# KiCad board for_real_486_2.kicad_pcb (continued)
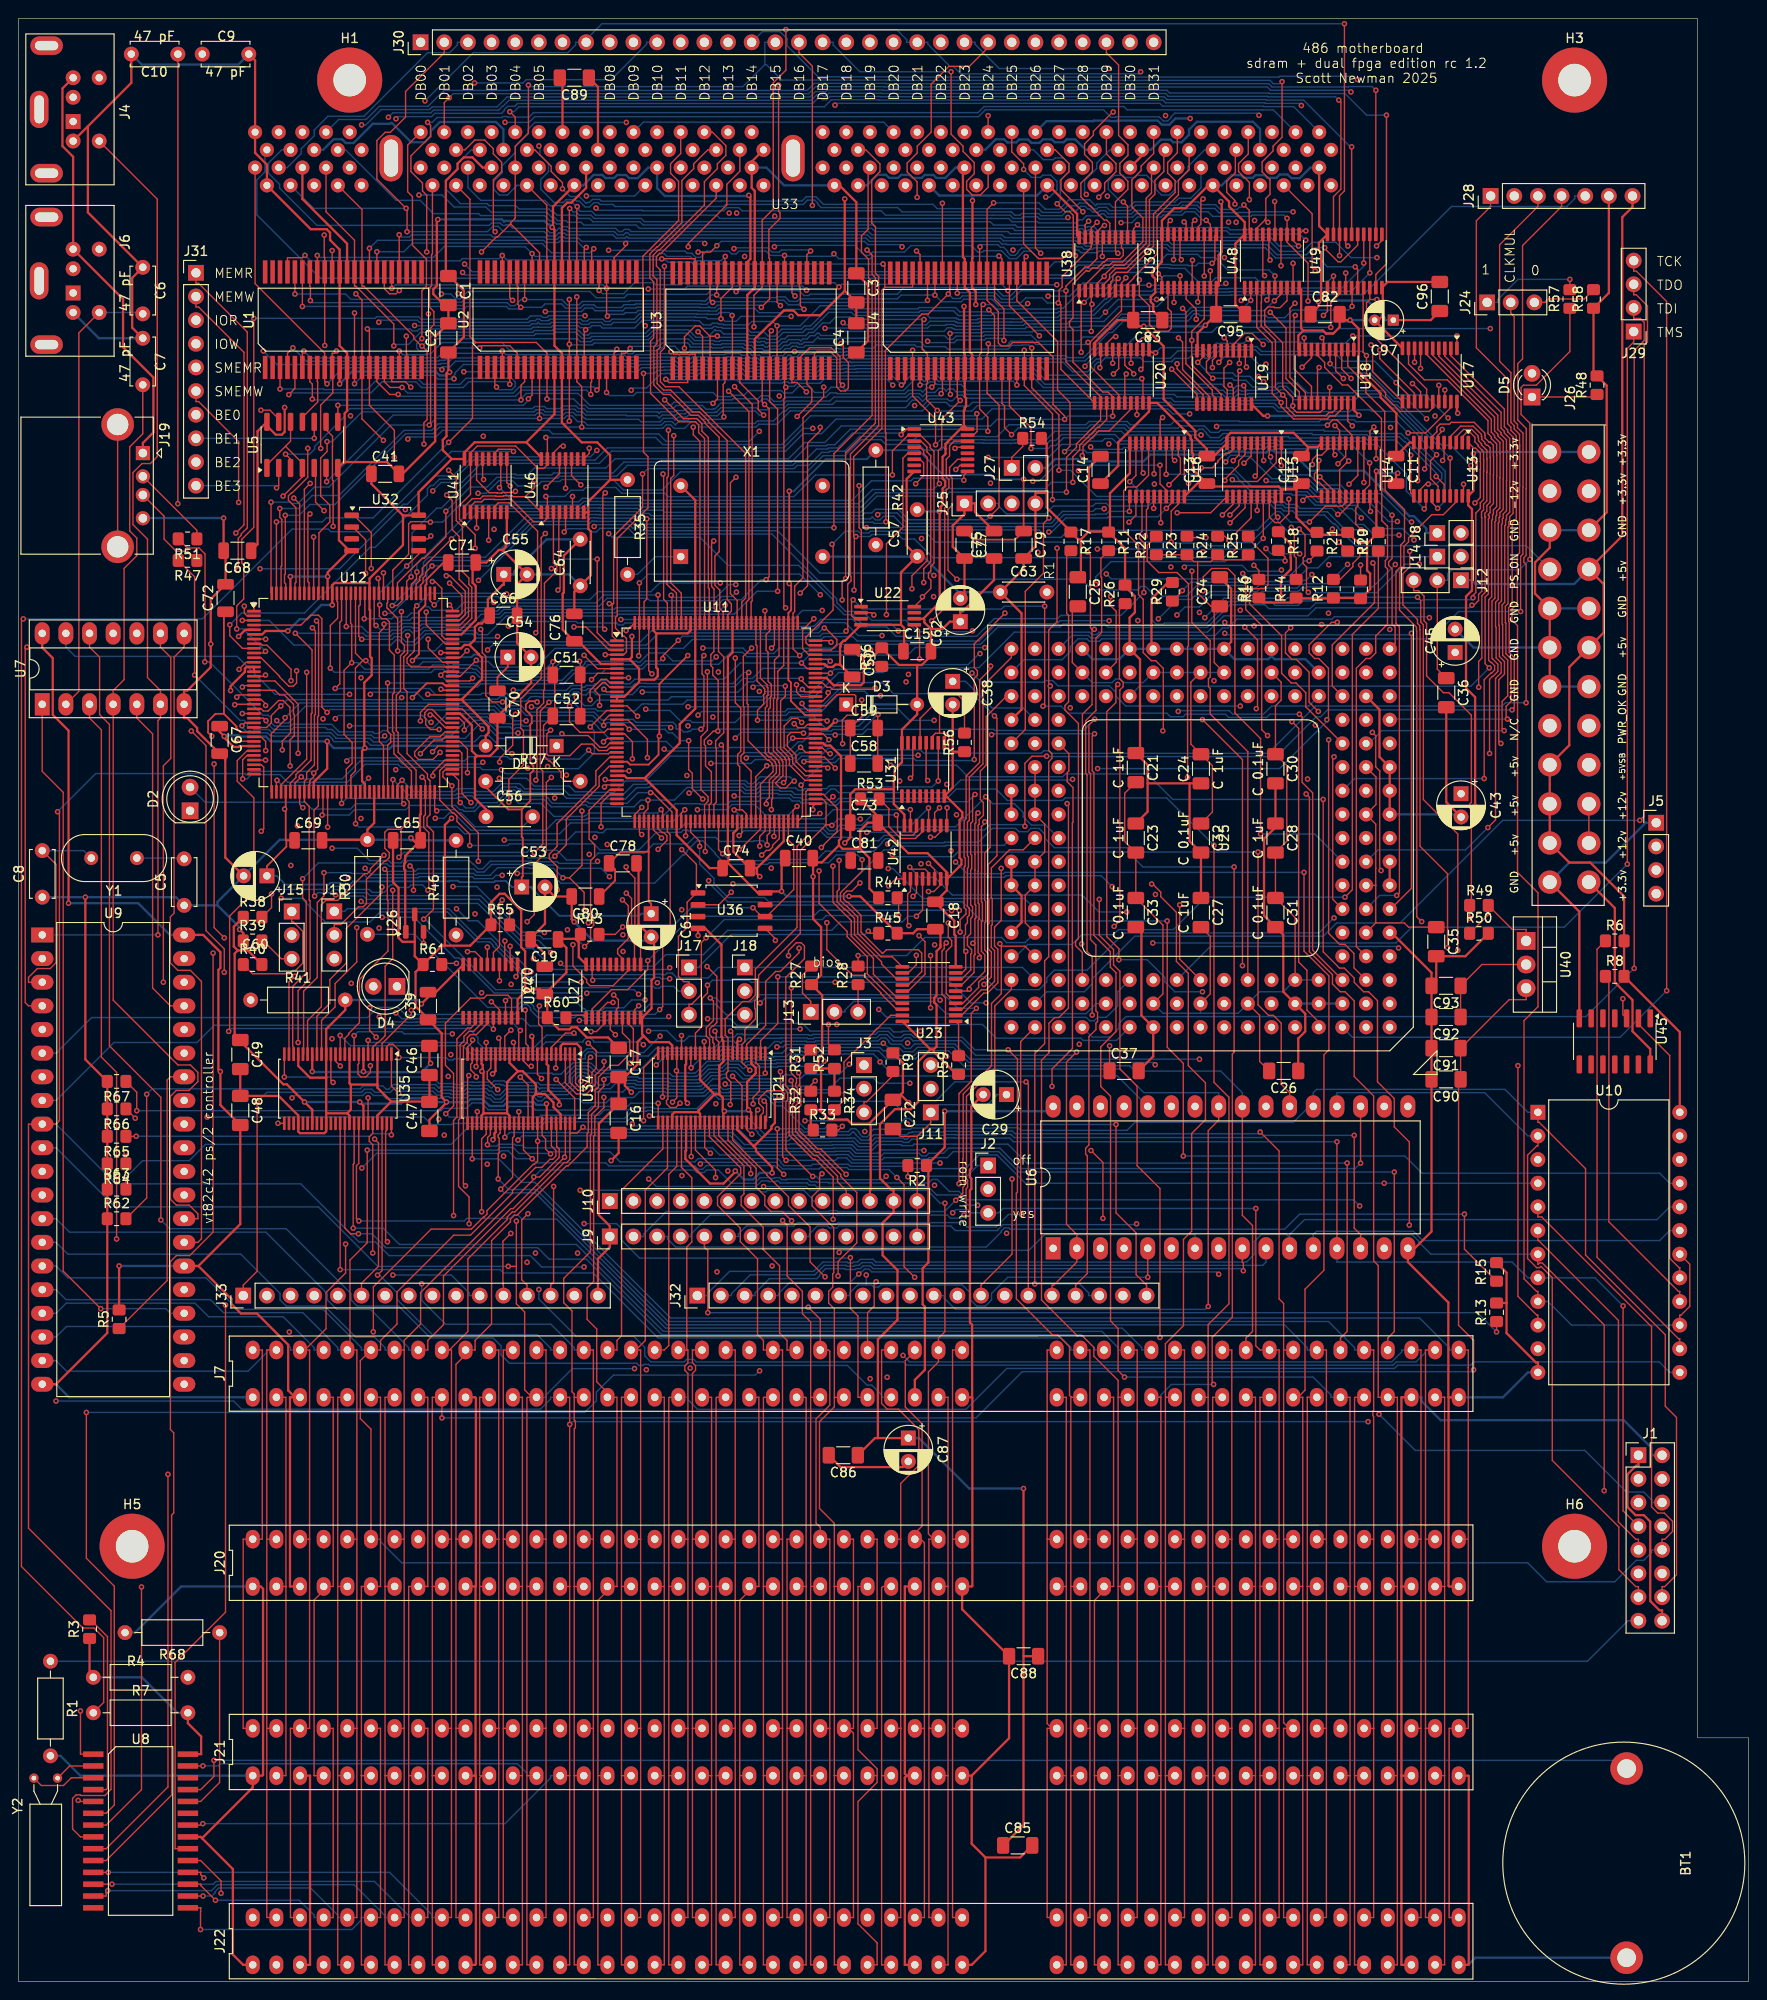
[diagram p0: board, top side]
## Routing (per net, layer and track width the routed paths; a pad name or vN(x,y) marks a point on that pad's centre or on a via; arc(x,y) is an arc through that point) (continued)
  In2.Cu w0.15: v1(102.46,145.06) 102.46,141.35 102.99,140.82 102.99,135.43 v1(104.51,133.91)
  Bottom w0.15: v1(118.79,64.91) 139.05,64.91 140.96,62.99 140.96,62.74 J7.75 ; v1(102.46,145.06) 102.36,144.96 96.54,144.96 95.32,146.19 91.63,146.19 90.9,146.91 89.98,146.91 89.75,147.14 88.84,147.14 87.88,148.11 87.88,148.49 80.91,155.46 66.1,155.46 65.48,156.08 62.45,156.08 62.06,155.69 61.58,155.69 61.24,156.03 58.95,156.03 v1(58.6,155.69) ; v1(115.57,134) 104.6,134 v1(104.51,133.91)
DRQ7: length 234.4
  Top w0.15: 148.09,42.42 148.09,42.42 148.09,22.1 ; 148.09,42.42 J20.77 ; 148.09,42.42 148.09,62.74 J7.77 146.04,62.74 146.04,76.9 145.55,77.39 145.55,95.11 143.46,97.19 143.46,105.31 142.48,106.3 141.96,106.3 141.13,107.13 141.13,108.13 138.65,110.6 138.65,127.19 v1(138.3,127.54) ; J21.77 148.09,22.1 ; 148.09,22.1 148.09,1.78 J22.77 ; U46.6 59.49,157.89 v1(59.49,159.5)
  In1.Cu w0.15: v1(61.82,156.27) 59.49,158.59 v1(59.49,159.5)
  In2.Cu w0.15: v1(102.41,140.53) 101.87,141.07 101.87,142.11 99.96,144.02 99.96,149.36 v1(98.31,151.01) ; v1(138.3,127.54) 131.22,134.61 v1(131.22,136.98)
  Bottom w0.15: v1(102.41,140.53) 103.4,139.55 110.05,139.55 110.22,139.72 111.08,139.72 111.65,139.15 117.17,139.15 117.84,138.48 117.84,138.07 118.92,136.98 v1(131.22,136.98) ; v1(98.31,151.01) 98.05,151.26 86.07,151.26 81.52,155.81 66.91,155.81 66.62,156.11 65.95,156.11 65.59,156.46 62.01,156.46 v1(61.82,156.27)
EADS: length 79.8
  Top w0.15: v1(141.82,154.58) R20.2 ; v1(140.52,135.51) 140.69,135.69 140.69,141.05 139.65,142.09 139.22,142.09 138.61,142.7 138.61,143.56 141.04,145.98 v1(141.65,145.98)
  In2.Cu w0.15: v1(141.82,154.58) 141.7,154.45 141.7,146.03 v1(141.65,145.98) ; U25.B17 107.9,106.3 107.9,107.8 108.94,108.84 109.42,108.84 110.44,109.86 110.44,112.88 111.48,113.92 111.92,113.92 115.9,117.89 v1(115.9,130.27)
  Bottom w0.15: v1(115.9,130.27) 135.45,130.27 140.52,135.35 v1(140.52,135.51)
FLUSH: length 49.3
  In1.Cu w0.15: U25.C15 110.44,106.3 108.94,106.3 107.9,105.26 107.9,104.78 106.78,103.66 100.98,103.66 91.94,94.61 84.92,94.61 82.46,92.15 81.25,92.15 80.91,91.82 80.91,90.08 77.32,86.49 77.24,86.49 74.79,84.04 74.79,83.82 J10.5
FPGA_ADS: length 153.5
  Top w0.15: U11.114 81.18,143.52 v1(80.87,143.21) ; v1(90.6,120.48) 90.6,119.25 88.27,116.92 88.27,116.1 88.82,115.56 88.9,115.56 90.14,114.32 90.14,112.56 92.65,110.04 93.85,110.04 U23.11 ; v1(49.38,120.31) 49.38,123.36 46.54,126.2 v1(46.54,128.42) 45.58,129.37 45.58,129.89 45.87,130.18 U12.74
  In1.Cu w0.15: v1(46.54,128.42) 44.55,130.4 42.64,130.4 39.96,133.08 39.96,133.94 39.56,134.35 39.45,134.35 v1(35.55,138.24) ; v1(53.55,119) 52.25,120.31 v1(49.38,120.31)
  In2.Cu w0.15: v1(80.87,143.21) 80.78,143.12 80.78,139.85 80.72,139.79 80.72,138.44 80.78,138.39 80.78,132.58 90.6,122.76 v1(90.6,120.48)
  Bottom w0.15: U7.13 5.07,143.31 6.07,142.32 23.48,142.32 27.56,138.24 v1(35.55,138.24) ; v1(90.6,120.48) 90.09,120.99 87.84,120.99 87,120.15 80.61,120.15 80.44,119.98 75.94,119.98 74.81,121.11 74.81,121.2 73.52,122.49 72.84,122.49 71.8,121.45 71.8,121.33 71.46,120.99 71.33,120.99 68.3,117.96 58.22,117.96 57.18,119 v1(53.55,119)
FPGA_BE0: length 49.8
  Top w0.15: U23.18 94.28,104.42 92.63,106.07 92.63,106.17 90.74,108.06 89.57,108.06 86.81,110.82 v1(86.81,113.72) ; v1(80.86,125.86) 80.89,125.89 80.89,126.71 80.88,126.71 80.88,126.93 80.99,127.04 80.99,128.9 81.74,129.65 81.74,130.86 81.64,130.97 81.64,131.11 80.89,131.86 80.75,131.86 80.56,132.05 80.56,136.64 80.74,136.82 80.74,137.92 80.84,138.03 80.84,139.31 80.51,139.65 80.51,142.76 80.3,142.97 80.3,144.67 80.68,145.06 U11.115
  In2.Cu w0.15: v1(80.86,125.86) 80.86,125.84 86.81,119.89 v1(86.81,113.72)
FPGA_BE1: length 51.2
  Top w0.15: U11.116 80.18,147.19 v1(80.16,147.22) ; v1(85.98,119.28) 85.98,115.79 88.99,112.78 88.99,112.21 91.16,110.05 91.16,108.22 94.3,105.07 U23.17
  In2.Cu w0.15: v1(85.98,119.28) 85.98,119.5 79.73,125.74 79.73,128.44 81.29,129.99 81.29,131.57 80.39,132.47 80.39,138.28 80.37,138.3 80.37,139.94 80.39,139.96 80.39,142.88 80.16,143.11 v1(80.16,147.22)
FPGA_BE2: length 48.6
  Top w0.15: U11.117 79.68,139.98 80.39,139.27 80.39,139.05 80.49,138.94 80.49,138.17 80.39,138.07 80.39,136.97 80.21,136.78 80.21,131.9 80.6,131.5 80.74,131.5 81.29,130.96 81.29,130.82 81.39,130.72 81.39,129.8 80.64,129.04 80.64,127.19 80.31,126.86 v1(80.31,126.47) ; v1(87.47,119.79) 87.47,115.9 89.43,113.94 89.43,112.27 91.81,109.89 91.81,108.18 94.28,105.72 U23.16
  In2.Cu w0.15: v1(87.47,119.79) 86.05,121.21 85.99,121.21 85.65,121.55 85.65,121.9 81.08,126.47 v1(80.31,126.47)
FPGA_BE3: length 64.6
  Top w0.15: U23.15 95.55,106.37 97.36,108.18 97.36,111.68 v1(96.71,112.33) ; U11.118 79.19,145.9 79.19,143.57 79.31,143.45 79.31,139.67 80.04,138.95 80.04,138.9 80.14,138.8 80.14,138.32 80.04,138.21 80.04,137.2 79.37,136.53 v1(79.37,135.46)
  In2.Cu w0.15: v1(96.71,112.33) 97.43,113.05 97.43,115.63 98.31,116.5 98.31,120.48 97.07,121.71 97.07,129.3 98.34,130.57 v1(98.34,135.45)
  Bottom w0.15: v1(98.34,135.45) 95.69,135.45 94.42,136.71 92.11,136.71 90.22,134.82 87.29,134.82 87.12,134.65 86.62,134.65 85.46,135.81 82.9,135.81 82.56,135.46 v1(79.37,135.46)
FPGA_CH_RDY: length 60.9
  Top w0.15: v1(29.26,139.71) 29.26,140.94 26.68,143.52 26.17,143.52 26.01,143.68 U12.8 ; v1(59.54,111.35) 59.54,109.06 61.02,107.58 61.02,107.3 61.37,106.95 63.85,106.95 65.51,108.6 U27.13
  In1.Cu w0.15: v1(59.54,111.35) 55.17,111.35 51.01,115.51 42.47,124.05 41.95,124.05 35.82,130.18 35.82,131.32 35.49,131.66 35.3,131.66 33.72,133.24 33.72,133.43 33.38,133.77 33.18,133.77 29.26,137.69 v1(29.26,139.71)
FPGA_CLOCK: length 88.2
  Top w0.15: U11.93 84.76,136.5 84.14,137.13 v1(84.14,137.26) ; v1(33.48,141.05) 33.48,145.63 34.27,146.42 34.27,148.16 34.19,148.24 U12.130 ; v1(96.77,142.04) 96.77,145.15 U22.5
  In1.Cu w0.15: v1(74.93,142.27) 74.77,142.27 73.41,140.9 73.41,140.43 73.74,140.09 74.54,140.09 74.69,139.94 80.62,139.94 83.3,137.26 v1(84.14,137.26) 85.94,139.06 87.27,139.06 87.79,139.58 v1(95.33,139.58)
  In2.Cu w0.15: v1(96.77,142.04) 96.77,140.74 95.61,139.58 v1(95.33,139.58)
  Bottom w0.15: v1(74.93,142.27) 74.49,141.83 70.25,141.83 69.4,142.69 67.72,142.69 66.71,141.68 66.53,141.68 66.41,141.79 60.94,141.79 60.83,141.68 60.83,141.54 60.49,141.21 58.29,141.21 57.17,140.09 54.56,140.09 54.54,140.07 49.52,140.07 49.01,140.58 47.2,140.58 47,140.38 46.18,140.38 45.64,140.92 44.65,140.92 44.32,140.59 37.03,140.59 37.02,140.61 33.93,140.61 v1(33.48,141.05)
FPGA_D/C: length 91
  Top w0.15: U23.13 94.29,107.67 92.69,109.27 92.69,109.5 89.78,112.41 89.78,114.17 88.75,115.2 88.67,115.2 87.92,115.95 87.92,117.07 88.13,117.28 v1(88.13,120.4) ; v1(40.21,129.09) 40.19,129.06 U12.63 ; U11.112 82.18,141.34 81.55,140.71 81.55,137.74 81.45,137.64 81.45,132.29 82.34,131.4 82.34,131.26 82.44,131.15 82.44,129.04 v1(82.17,128.76)
  In2.Cu w0.15: v1(82.17,128.76) 84.19,126.74 84.19,126.06 88.13,122.12 v1(88.13,120.4)
  Bottom w0.15: v1(82.17,128.76) 82.17,128.76 79.52,128.76 79.05,128.3 78.25,128.3 77.92,128.62 72.19,128.62 72.17,128.6 68.1,128.6 67.76,128.26 67.64,128.26 67.61,128.22 66.4,128.22 65.18,127.01 61.29,127.01 61.23,127.07 58.87,127.07 58.25,127.69 57.34,127.69 57.34,127.69 55.1,127.69 55.04,127.74 54.22,127.74 53.86,128.11 53.62,128.11 53.43,128.29 51.98,128.29 51.13,127.44 49.08,127.44 48.82,127.7 47.88,127.7 47.73,127.55 47.05,127.55 46.94,127.44 41.86,127.44 v1(40.21,129.09)
FPGA_IOCS16: length 64.8
  Top w0.15: U27.11 66.81,112.33 66.19,112.94 66.19,118.51 65.25,119.44 v1(65.25,119.71) ; v1(25.28,147.9) U12.1
  In1.Cu w0.15: v1(25.28,147.9) 27.64,147.9 33.55,141.98 33.86,141.98 34.41,141.44 34.41,141.36 36.95,138.82 38.02,138.82 38.36,138.48 38.36,138.31 43.95,132.72 45.39,132.72 45.85,132.26 45.85,131.34 48.3,128.89 48.3,128.73 49.46,127.57 49.67,127.36 51.11,127.36 57,121.47 57,120.6 57.34,120.26 59.41,120.26 59.96,119.71 v1(65.25,119.71)
FPGA_IOR: length 125.1
  Top w0.15: U24.4 v1(51.65,107.48) ; v1(61.22,132.25) 61.63,131.85 63.35,131.85 63.5,132 U11.25
  In1.Cu w0.15: v1(35.44,118.51) 39.07,114.88 46.05,114.88 48.1,112.83 48.1,111.55 46.44,109.89 46.44,109.12 48.08,107.48 v1(51.65,107.48)
  In2.Cu w0.15: 34.59,130.43 35.44,129.59 v1(35.44,118.51) ; 34.59,130.43 34.59,140.75 28.51,146.83 28.51,153.1 24.61,157.01 24.61,172.03 19.33,177.31 19.05,177.31 J31.3 ; 34.59,130.43 v1(35.25,131.08)
  Bottom w0.15: v1(61.22,132.25) 60.26,131.29 52.75,131.29 52.5,131.54 48.36,131.54 47.92,131.1 41.36,131.1 41.04,131.43 35.59,131.43 v1(35.25,131.08)
FPGA_IOW: length 106.3
  Top w0.15: U11.26 63.5,131.5 62,130.01 62,128.51 57.84,124.35 57.84,121.91 57,121.07 57,120.6 57.85,119.75 v1(57.85,117.23) ; U24.5 51,110.52 51.65,111.17 51.65,115.85 v1(51.95,116.15)
  In1.Cu w0.15: v1(57.85,117.23) 56.76,116.15 v1(51.95,116.15) 49.63,118.46 49.13,118.46 47.17,120.42 47.09,120.42 44.98,122.54 44.98,122.79 42.91,124.85 42.18,124.85 38.52,128.51 38.52,129.62 34.42,133.72 32.7,135.44 v1(32.7,135.6)
  In2.Cu w0.15: J31.4 19.05,174.77 19.27,174.77 22.7,171.34 22.7,155.3 25.7,152.31 26.17,152.31 26.51,151.97 26.51,146.65 32.55,140.6 32.55,135.75 v1(32.7,135.6)
FPGA_M/IO: length 98.6
  Top w0.15: v1(83.32,128.91) 83.13,128.91 82.41,128.19 81.79,128.19 81.34,128.64 81.34,128.75 82.09,129.5 82.09,131.01 81.99,131.11 81.99,131.25 81.07,132.17 81.07,136.65 81.09,136.67 81.09,137.77 81.2,137.88 81.2,141.92 81.68,142.4 U11.113 ; v1(96.42,110.21) 96.42,109.2 95.55,108.32 U23.12 ; U12.64 40.69,128.52 v1(41.19,129.02)
  In1.Cu w0.15: v1(96.93,120.04) 94.67,122.3 94.67,122.64 93.88,123.44 93.84,123.44 93.62,123.65 93.61,123.65 92.65,124.61 92.65,124.62 90,127.27 89.45,127.27 88.54,128.19 86.85,128.19 86.78,128.11 84.47,128.11 84.28,127.92 83.8,127.92 83.61,128.11 83.55,128.11 83.32,128.34 v1(83.32,128.91)
  In2.Cu w0.15: v1(96.93,120.04) 97.06,119.91 97.06,113.7 96.14,112.78 96.14,110.5 v1(96.42,110.21)
  Bottom w0.15: v1(41.19,129.02) 42.42,127.8 46.8,127.8 47.12,128.11 48.9,128.11 49.22,127.8 50.99,127.8 51.84,128.65 53.82,128.65 54.37,128.09 55.19,128.09 55.24,128.04 57.19,128.04 57.2,128.04 58.53,128.04 59.14,127.42 61.38,127.42 61.44,127.36 64.82,127.36 66.03,128.58 67.46,128.58 67.83,128.95 72.02,128.95 72.04,128.97 78.07,128.97 78.39,128.65 78.91,128.65 79.64,129.38 82.86,129.38 v1(83.32,128.91)
FPGA_MEMCS16: length 64.9
  Top w0.15: v1(24.24,147.71) 24.24,146.96 24.52,146.68 U12.2 ; U27.12 66.16,111.42 65.84,111.73 65.84,116.32 v1(65.27,116.88)
  In1.Cu w0.15: v1(24.24,147.71) 27.73,144.23 30.6,144.23 33.19,141.63 33.72,141.63 34.06,141.29 34.06,141.05 42.37,132.74 42.37,131.79 42.91,131.25 45.28,131.25 49.11,127.42 49.52,127.01 50.94,127.01 56.65,121.3 56.65,120.45 57.19,119.91 58.6,119.91 61.63,116.88 v1(65.27,116.88)
FPGA_MEMR: length 107
  Top w0.15: v1(23.59,151.62) 23.59,155.01 23.91,155.33 23.91,155.47 24.56,156.12 24.56,177.16 19.33,182.39 19.05,182.39 J31.1 ; v1(52.8,111.18) 52.8,109.38 U24.2 ; v1(63,129.09) 63.09,129 U11.31
  In1.Cu w0.15: 57.58,127.79 61.3,127.79 62.61,129.09 v1(63,129.09) ; 57.58,127.79 v1(57.58,127.11) ; 57.58,127.79 57.45,127.79 56.3,128.93 56.3,129.12 55.27,130.15 55.27,130.54 54.93,130.88 54.67,130.88 53.57,131.98 53.57,132.11 53.23,132.45 52.97,132.45 51.68,133.74 44.93,133.74 44.69,133.98 43.74,133.98 40.69,137.04 40.69,137.15 37.56,140.27 37.35,140.27 36.91,140.71 35.63,140.71 34.01,142.33 33.77,142.33 24.48,151.62 v1(23.59,151.62)
  In2.Cu w0.15: v1(52.8,111.18) 52.8,111.18 55.2,113.58 55.2,119.28 57.58,121.65 v1(57.58,127.11)
FPGA_MEMW: length 105.3
  Top w0.15: v1(52.23,111.75) 52.22,111.74 52.22,109.31 U24.3 ; v1(57.23,129.32) 56.69,128.78 56.69,121.32 55.39,120.02 55.39,114.59 v1(54.63,113.82) ; v1(23.33,155.57) 24.21,156.44 24.21,174.97 19.33,179.85 19.05,179.85 19.05,180.97 ; U11.32 63.15,128.5 v1(62.93,128.29)
  In1.Cu w0.15: v1(23.33,155.57) 23.67,155.57 35.57,143.67 36.31,143.67 38.69,141.29 45.2,141.29 52.72,133.77 52.72,133.69 53.26,133.15 53.66,133.15 55.97,130.84 55.97,130.52 57.17,129.32 v1(57.23,129.32) 58.06,130.16 59.88,130.16 60.02,130.02 62.96,130.02 63.58,129.4 63.58,128.85 63.02,128.29 v1(62.93,128.29)
  In2.Cu w0.15: v1(54.63,113.82) 54.31,113.82 v1(52.23,111.75)
FPGA_NOWS: length 60.4
  Top w0.15: U27.14 64.86,109.87 64.35,110.38 64.35,110.86 65.49,112 65.49,115.54 v1(64.86,116.16) ; v1(26.54,144.16) 26.52,144.18 U12.7
  In1.Cu w0.15: v1(26.54,144.16) 26.82,143.87 29.84,143.87 34.9,138.82 35.79,138.82 36.13,138.48 36.13,138.27 40.42,133.98 40.42,133.15 42.67,130.9 45.14,130.9 49.38,126.66 50.7,126.66 55.53,121.83 55.63,121.83 55.97,121.49 55.97,120.22 60.02,116.16 v1(64.86,116.16)
FPGA_RESET: length 51.6
  Top w0.15: U26.2 43.5,111.49 v1(43.5,111.49)
  In1.Cu w0.15: J16.3 35.04,109.85 35.04,110.03 R30.1
  Bottom w0.15: R30.1 42.53,112.46 v1(43.5,111.49) 50.37,104.62 53.38,104.62 54.03,105.27 54.79,105.27 55.34,104.72 55.34,104.53 55.74,104.14 60.62,104.14 60.84,103.91 62.79,103.91 63.1,104.22 67.04,104.22 67.78,104.96 74.88,104.96 76.02,103.83 J18.3
FPGA_RESET_BUTTON: length 86.5
  Top w0.15: R55.2 52.73,114.71 v1(52.93,114.91) ; v1(73.98,140.67) 73.98,134.38 73.29,133.69 73.29,128 74.06,127.24 74.06,126.76 73.68,126.38 U11.52 73.75,124.52 v1(73.75,121.36)
  In1.Cu w0.15: v1(73.98,140.67) 74.53,141.21 76.87,141.21 77.94,142.28 79.12,142.28 79.66,142.83 79.66,143.35 80.97,144.67 81.32,144.67 85.24,148.58 85.24,148.88 86.91,150.56 87.41,150.56 88.46,151.62 93.32,151.62 93.67,151.97 97.45,151.97 97.78,152.29 100.1,152.29 105.55,157.75 105.55,158.75 J25.3 ; v1(52.93,114.91) 53.66,115.63 60.98,115.63 61.03,115.59 65.1,115.59 65.46,115.95 65.46,116.06 69.97,120.57 72.96,120.57 v1(73.75,121.36)
FPGA_SMEMR: length 118.8
  Top w0.15: U11.28 63.43,130.5 62.35,129.43 62.35,128.36 58.83,124.84 58.83,122.08 v1(57.6,120.86) ; U24.6 v1(50.35,111.08)
  In1.Cu w0.15: v1(33.67,121.71) 40.01,115.37 46.16,115.37 46.46,115.07 46.46,114.97 46.8,114.63 46.8,114.63 v1(50.35,111.08)
  In2.Cu w0.15: J31.5 19.05,172.23 19.33,172.23 20.53,171.03 20.53,144.89 25.77,139.65 25.77,131.11 27.13,129.75 27.13,128.75 29.73,126.15 29.73,125.66 v1(33.67,121.71)
  Bottom w0.15: v1(57.6,120.86) 57.42,120.67 54.74,120.67 54.53,120.88 41.8,120.88 41.05,120.14 39.99,120.14 39.74,120.39 38.97,120.39 38.97,120.39 37.69,120.39 36.37,121.71 v1(33.67,121.71)
FPGA_SMEMW: length 95.4
  Top w0.15: U11.29 65.55,130 v1(65.57,130.02) ; J31.6 19.05,169.69 19.33,169.69 23.63,165.39 v1(23.63,158.86) ; U24.7 49.7,109.92 49.01,110.61 v1(48.21,110.61)
  In1.Cu w0.15: v1(23.63,158.86) 35.33,147.15 37.93,147.15 38.72,146.36 39.49,146.36 39.83,146.02 39.83,145.62 42.68,142.77 44.23,142.77 53.07,133.93 53.07,133.84 53.41,133.5 53.8,133.5 v1(56.82,130.49) 56.84,130.51 60.03,130.51 60.16,130.37 65.23,130.37 v1(65.57,130.02)
  In2.Cu w0.15: v1(56.82,130.49) 56.3,129.97 56.3,128.93 56.3,128.36 54.06,126.13 54.06,122.46 48.88,117.27 48.88,116.78 48.44,116.34 48.44,110.84 v1(48.21,110.61)
FPGA_W/R: length 176
  Top w0.15: U23.14 95.56,107.02 97.01,108.47 97.01,110.44 96.64,110.81 93.21,110.81 92.83,110.43 92.77,110.43 90.49,112.71 90.49,114.5 89.08,115.91 88.96,115.91 88.62,116.24 88.62,116.78 88.96,117.12 89.5,117.12 v1(90.37,117.99) ; v1(39.64,139.46) 39.64,134.27 39.96,133.94 39.96,133.1 39.64,132.77 39.64,127.82 U12.62 ; v1(86.48,171.24) 86.48,170.18 84.25,167.96 84.25,150.76 83.36,149.86 83.36,147.13 83.18,146.96 U11.110 83.18,143.13 v1(83.9,142.41)
  In1.Cu w0.15: U33.27 70.43,187.26 72.29,187.26 76.07,183.48 76.07,178.7 79.81,174.95 82.63,174.95 86.34,171.24 v1(86.48,171.24)
  In2.Cu w0.15: v1(91.5,143.04) 90.87,142.41 90.87,141.39 91.35,140.91 91.35,138.76 91.84,138.27 91.84,136.41 91.75,136.32 91.75,130.54 91.68,130.48 91.68,119.3 v1(90.37,117.99)
  Bottom w0.15: v1(91.5,143.04) 91.32,142.85 84.34,142.85 v1(83.9,142.41) 83.77,142.28 78.23,142.28 77.76,142.76 76.49,142.76 75.19,141.47 67.5,141.47 67,140.97 63.08,140.97 62.61,140.5 59.67,140.5 58.53,139.37 49.62,139.37 49.29,139.04 45.93,139.04 45.51,139.46 v1(39.64,139.46)
HITM: length 66.4
  In1.Cu w0.15: v1(87.87,102.78) 84.36,99.27 84.36,97.35 84.35,97.34 84.35,97.32 84.01,96.98 83.88,96.98 83.56,96.66 83.56,96.52 83.22,96.18 77.62,96.18 75.12,93.69 74.24,93.69 64.63,84.08 64.63,83.82 J10.1
  Bottom w0.15: U25.A12 117.91,101.06 114.35,101.06 114.11,101.31 105.01,101.31 103.53,102.78 v1(87.87,102.78)
HLDA: length 96
  Top w0.15: U27.5 63.56,102.23 v1(64.1,101.69) ; J10.11 88.9,84.95 87.96,85.88 87.96,86.49 85.75,88.7 85.47,88.7 83.12,91.05 83.12,94.22 83.32,94.42 83.32,95.77 83.12,95.96 83.12,96.62 v1(82.98,96.76)
  In1.Cu w0.15: v1(64.1,101.69) 68.72,97.06 76.03,97.06 76.45,96.64 82.86,96.64 v1(82.98,96.76) ; v1(94.64,128.93) 94.67,128.93 100.23,134.48 104.75,134.48 105,134.24 110.44,134.24 U25.P15
  In2.Cu w0.15: v1(82.98,96.76) 82.98,104.7 88.15,109.87 88.15,111.17 89.58,112.6 89.58,112.98 94.27,117.67 94.27,120.46 94.45,120.64 94.45,120.85 94.86,121.26 94.86,128.7 v1(94.64,128.93)
HOLD: length 63.4
  Top w0.15: v1(136.03,152.57) 136.03,152.99 R18.2
  In2.Cu w0.15: U25.E15 111.71,112.67 116.47,117.43 116.47,135.49 115.75,136.21 115.75,144.61 116.12,144.98 116.12,149.63 v1(115.7,150.05)
  Bottom w0.15: v1(115.7,150.05) 115.7,150.86 117.34,152.5 129.59,152.5 129.78,152.69 135.92,152.69 v1(136.03,152.57)
INC: length 48.4
  In1.Cu w0.15: U25.A13 116.79,102.17 113.87,99.25 113.06,99.25 104.43,90.62 91.56,90.62 85.21,84.28 85.21,83.59 83.9,82.28 82.79,82.28 82.56,82.05 82.3,82.3 81.82,82.3 79.87,80.35 79.87,80.01 J9.7
INT: length 152.2
  Top w0.15: U25.A16 107.64,100.95 107.64,82.49 v1(107.76,82.37) ; U12.81 45.82,133.68 45.47,133.33 44.62,133.33 v1(43.16,131.87)
  In1.Cu w0.15: v1(60.04,78.22) 60.45,77.81 73.42,77.81 v1(75.02,76.21)
  In2.Cu w0.15: v1(75.02,76.21) 76.2,77.4 J9.6 ; v1(39.06,114.29) 38.45,114.9 38.45,117.79 38.58,117.91 38.58,120.99 38.66,121.08 38.66,121.2 39,121.54 39.12,121.54 39.23,121.65 39.23,125.25 42.76,128.78 42.76,131.47 v1(43.16,131.87) ; v1(60.36,105.61) 60.64,105.33 60.64,103.61 60.81,103.45 60.81,102.97 60.64,102.8 60.64,102.21 60.83,102.02 60.83,101.72 60.8,101.69 60.26,101.15 60.26,100.8 60.03,100.57 60.03,100.17 59.8,99.94 59.8,99.87 59.79,99.87 59.79,97.41 59.47,97.08 59.47,96.05 59.3,95.88 59.3,95.02 59.31,95.01 59.31,94.93 59.68,94.55 59.68,91.03 59.83,90.88 59.83,89.43 59.92,89.35 59.92,88 59.72,87.8 59.72,78.53 v1(60.04,78.22)
  Bottom w0.15: J9.6 77.33,80.01 77.33,80.29 78.19,81.15 82.3,81.15 82.53,81.38 82.79,81.13 83.26,81.13 83.63,81.49 87.03,81.49 87.25,81.27 87.73,81.27 87.96,81.49 101.4,81.49 101.87,81.03 104.98,81.03 106.32,82.37 v1(107.76,82.37) ; v1(39.06,114.29) 42.48,114.29 46.85,109.92 47.32,109.92 51.08,106.16 59.81,106.16 v1(60.36,105.61)
INTA: length 31.6
  Top w0.15: U11.34 63.51,127.5 62.56,126.56 v1(62.56,124.01) ; v1(48.21,129.82) 48.21,132.37 47.4,133.18 U12.80
  In1.Cu w0.15: v1(48.21,129.82) 48.68,129.35 48.68,128.85 49.81,127.71 54.52,127.71 60,122.23 62.14,122.23 63.12,121.25 63.18,121.25 63.99,122.07 63.99,122.58 v1(62.56,124.01)
INV: length 53.9
  In1.Cu w0.15: J9.8 82.41,80.01 82.41,80.27 83.28,81.14 87.84,81.14 90.17,83.46 90.17,84.29 94.55,88.67 97.48,88.67 97.65,88.83 107.9,88.83 112.35,93.28 112.35,94.63 114.08,96.37 118.3,96.37 U25.A10
IOCS16: length 151.2
  Top w0.15: v1(106.29,100.06) 107.28,99.07 107.28,84.77 107.17,84.66 107.17,73.32 111.05,69.44 111.6,69.44 112.88,68.16 112.88,62.94 113.08,62.74 ; 113.08,62.74 J7.64 ; 113.08,62.74 113.02,62.67 113.02,42.42 ; 113.02,42.42 J20.64 ; 113.02,42.42 113.02,22.1 113.11,22.1 ; U27.9 66.16,104.36 v1(66.6,104.8) ; 113.11,22.1 113.02,22.01 113.02,1.78 J22.64 ; 113.11,22.1 J21.64
  In1.Cu w0.15: v1(67.66,102.05) 66.6,103.12 v1(66.6,104.8)
  Bottom w0.15: v1(106.29,100.06) 102.71,100.06 101.38,101.39 96.19,101.39 95.87,101.71 95.1,101.71 94.78,101.39 94.07,101.39 93.42,102.04 92.36,102.04 92.03,101.72 85.32,101.72 85.21,101.6 84.95,101.6 84.87,101.69 77.82,101.69 77.74,101.76 77.2,101.76 76.83,101.39 74.01,101.39 73.88,101.52 72.01,101.52 71.5,101.01 70.73,101.01 69.61,102.12 67.73,102.12 v1(67.66,102.05)
IOR: length 382.2
  Top w0.15: U24.16 v1(51,102.26) ; 59.19,22.1 59.19,42.42 59.19,42.42 ; 59.19,22.1 J21.14 ; 59.19,22.1 59.19,1.78 J22.14 ; 59.19,42.42 J20.14 ; 59.19,42.42 v1(59.19,59.83) 59.19,62.74 J7.14 ; U8.22 19.63,16.79 v1(19.78,16.94)
  In1.Cu w0.15: v1(144.95,60.12) 148.77,60.12 150.88,62.22 150.88,63.2 154.12,66.44 157.59,66.44 162.9,71.76 163.52,71.76 177.35,85.6 177.35,86.25 178.3,87.19 178.43,87.19 U10.22
  In2.Cu w0.15: U9.8 4.02,94.62 v1(4.02,62.34)
  Bottom w0.15: J21.14 57.14,22.1 57.14,21.84 52.24,16.94 v1(19.78,16.94) ; U9.8 4.02,94.62 10.24,100.85 19.17,100.85 21.02,102.7 41.48,102.7 41.5,102.68 42.85,102.68 42.87,102.7 50.56,102.7 v1(51,102.26) ; v1(59.19,59.83) 59.48,60.12 v1(144.95,60.12) ; J7.14 57.14,62.74 57.14,62.55 56.05,61.46 23.96,61.46 23.08,62.34 v1(4.02,62.34)
IOW: length 340.3
  Top w0.15: 55.14,62.74 54.66,62.74 54.6,62.67 54.6,42.42 ; 55.14,62.74 J7.13 ; 55.14,62.74 54.36,63.53 54.36,71.89 53.46,72.78 53.46,76.8 ; U24.15 50.35,102.87 49.17,101.69 48.52,101.69 48.19,101.36 48.19,100.85 47.78,100.44 47.78,85.67 v1(48,85.45) ; 53.46,76.8 v1(53.46,81.66) ; 53.46,76.8 v1(52.6,76.8) ; J22.13 54.6,1.78 54.6,22.1 ; 54.6,22.1 54.6,42.42 54.6,42.42 ; 54.6,22.1 J21.13 ; 54.6,42.42 J20.13 ; v1(19.79,23.15) 19.78,23.14 U8.27
  In1.Cu w0.15: U10.23 177.35,90.81 165.92,79.38 162.92,79.38 153.47,69.93 106.77,69.93 103.3,66.45 66.78,66.45 v1(66.15,65.82) ; v1(53.46,81.66) 51.79,81.66 v1(48,85.45)
  Bottom w0.15: J21.13 54.6,22.1 54.6,22.35 53.58,23.37 21.69,23.37 21.47,23.15 v1(19.79,23.15) ; v1(52.6,76.8) 38.59,76.8 32.2,83.19 10.37,83.19 4.02,89.54 U9.10 ; v1(66.15,65.82) 59.48,65.82 56.65,62.99 56.65,62.74 J7.13
IRQ0: length 153.6
  Top w0.15: v1(154.59,110.74) 154.59,123.24 150.88,126.95 150.88,145.72 150.61,146 150.61,148.33 v1(150.26,148.67) ; U10.10 163.19,71.57 163.07,71.57 161.05,73.59 v1(161.05,98.36) ; U43.11 100.87,163.49 100,162.62 100,161.73 100.28,161.45 100.28,158.56 99.83,158.11 99.83,151.56 v1(100.78,150.61)
  In2.Cu w0.15: v1(161.05,98.36) 154.59,104.82 v1(154.59,110.74)
  Bottom w0.15: v1(150.26,148.67) 139.45,148.67 139.05,148.27 137.92,148.27 137.45,147.8 134.97,147.8 134.56,148.21 129.97,148.21 127.66,145.9 123.1,145.9 122.98,145.78 122.19,145.78 121.73,146.24 121.73,149.14 121.04,149.83 120.54,149.83 120.18,149.47 115.32,149.47 114.17,150.61 v1(100.78,150.61)
IRQ2: length 65.7
  Top w0.15: 33.19,42.42 31.74,40.97 31.74,22.1 J21.4 ; 33.19,42.42 J20.4 ; 33.19,42.42 33.79,42.42 33.79,62.74 J7.4
  In1.Cu w0.15: J22.4 34.04,3.05 34.04,7.62 32.77,8.89 J21.4
IRQ3: length 178.6
  Top w0.15: v1(82.06,81.73) 82.55,81.24 82.55,75.76 84.18,74.13 84.18,71.72 85.08,70.82 85.08,62.74 ; J22.25 85.08,1.78 85.08,22.1 ; 85.08,62.74 85.08,42.42 ; 85.08,62.74 J7.25 ; 85.08,42.42 J20.25 ; 85.08,42.42 85.08,42.42 85.08,22.1 ; 85.08,22.1 J21.25 ; U43.14 100.49,165.44 100,164.95 100,163.85 99.65,163.49 99.65,161.58 99.93,161.3 99.93,160.45 99.65,160.16 99.65,158.43 99.46,158.24 99.46,158.15 99.48,158.14 99.48,147.53 v1(98.07,146.12)
  In2.Cu w0.15: v1(82.06,81.73) 82.45,82.11 82.45,85.23 86.15,88.93 86.15,97.02 91.3,102.17 91.3,109.92 95.53,114.15 95.53,114.3 96.65,115.42 96.65,119.51 96.35,119.8 96.35,120.82 96.72,121.18 96.72,129.53 97.77,130.58 97.77,135.68 98.05,135.97 98.05,146.11 v1(98.07,146.12)
IRQ4: length 184.2
  Top w0.15: 84.59,22.1 84.59,1.78 J22.24 ; 84.59,22.1 J21.24 ; 84.59,22.1 84.59,42.42 84.59,42.42 ; J7.24 84.53,62.74 84.59,62.67 84.59,42.42 ; 84.59,42.42 J20.24 ; v1(97.96,110.18) v1(97.96,104.57) ; v1(97.22,150.25) 97.22,151.73 97.97,152.48 97.97,163.87 97.56,164.28 97.56,164.8 96.92,165.44 U43.3
  In1.Cu w0.15: J7.24 84.59,62.74 84.59,63.02 86.21,64.63 91.36,64.63 v1(91.47,64.74) ; v1(95.49,100.79) 95.49,102.11 v1(97.96,104.57)
  In2.Cu w0.15: v1(97.96,110.18) 97.81,110.32 97.81,111.57 98.15,111.91 98.15,111.91 98.49,112.25 98.49,115.19 98.8,115.5 99.36,116.07 99.36,120.91 99.01,121.26 99.01,121.66 99.36,122.01 99.36,122.01 101.42,124.06 101.42,141.98 99.6,143.79 99.6,148.23 97.58,150.25 v1(97.22,150.25) ; v1(91.47,64.74) 90.16,66.05 90.16,69.91 91.86,71.61 91.86,74.38 91.47,74.78 91.47,75.48 92.72,76.74 92.72,85.2 93.76,86.24 93.76,86.72 93.54,86.93 93.54,97.96 95.49,99.9 v1(95.49,100.79)
IRQ5: length 195.2
  Top w0.15: J20.23 80,42.42 ; 80,42.42 80,22.1 ; 80,42.42 80,62.67 80.06,62.74 J7.23 ; 80,22.1 80,1.78 J22.23 ; 80,22.1 J21.23 ; U43.4 96.82,164.79 97.21,164.4 97.21,164.07 97.6,163.69 97.6,152.62 95.96,150.97 v1(95.96,149.58)
  In1.Cu w0.15: v1(90.89,91.29) 91.36,91.75 95.1,91.75 v1(95.45,92.1) ; v1(93.29,64.89) 92.87,65.31 86.57,65.31 86.26,65 86.03,65 85.85,64.82 85.85,64.78 85.41,64.33 83.39,64.33 82.05,62.99 82.05,62.74 J7.23 ; v1(95.96,149.58) 97.44,149.58 v1(98.28,148.74)
  In2.Cu w0.15: v1(95.45,92.1) 95.45,89.23 96.12,88.56 96.12,86.07 95.37,85.32 95.37,79.63 94.49,78.74 94.49,70.28 92.7,68.49 92.7,65.48 v1(93.29,64.89) ; v1(98.28,148.74) 99.23,147.78 99.23,130.73 100.37,129.59 100.37,125.75 100.16,125.55 100.16,124.63 100.3,124.5 100.3,124.44 98.48,122.62 98.48,122.33 98.56,122.26 98.56,122.2 98.31,121.95 98.31,120.97 98.66,120.62 98.66,116.36 97.78,115.48 97.78,112.56 97,111.78 97,108.19 92.27,103.45 92.27,101.46 91.96,101.15 91.96,100.38 92.27,100.07 92.27,99.31 91.96,99 91.96,92.35 v1(90.89,91.29)
